# Altium PCB PCB_v1.PcbDoc (part 6 of 8) (continued)
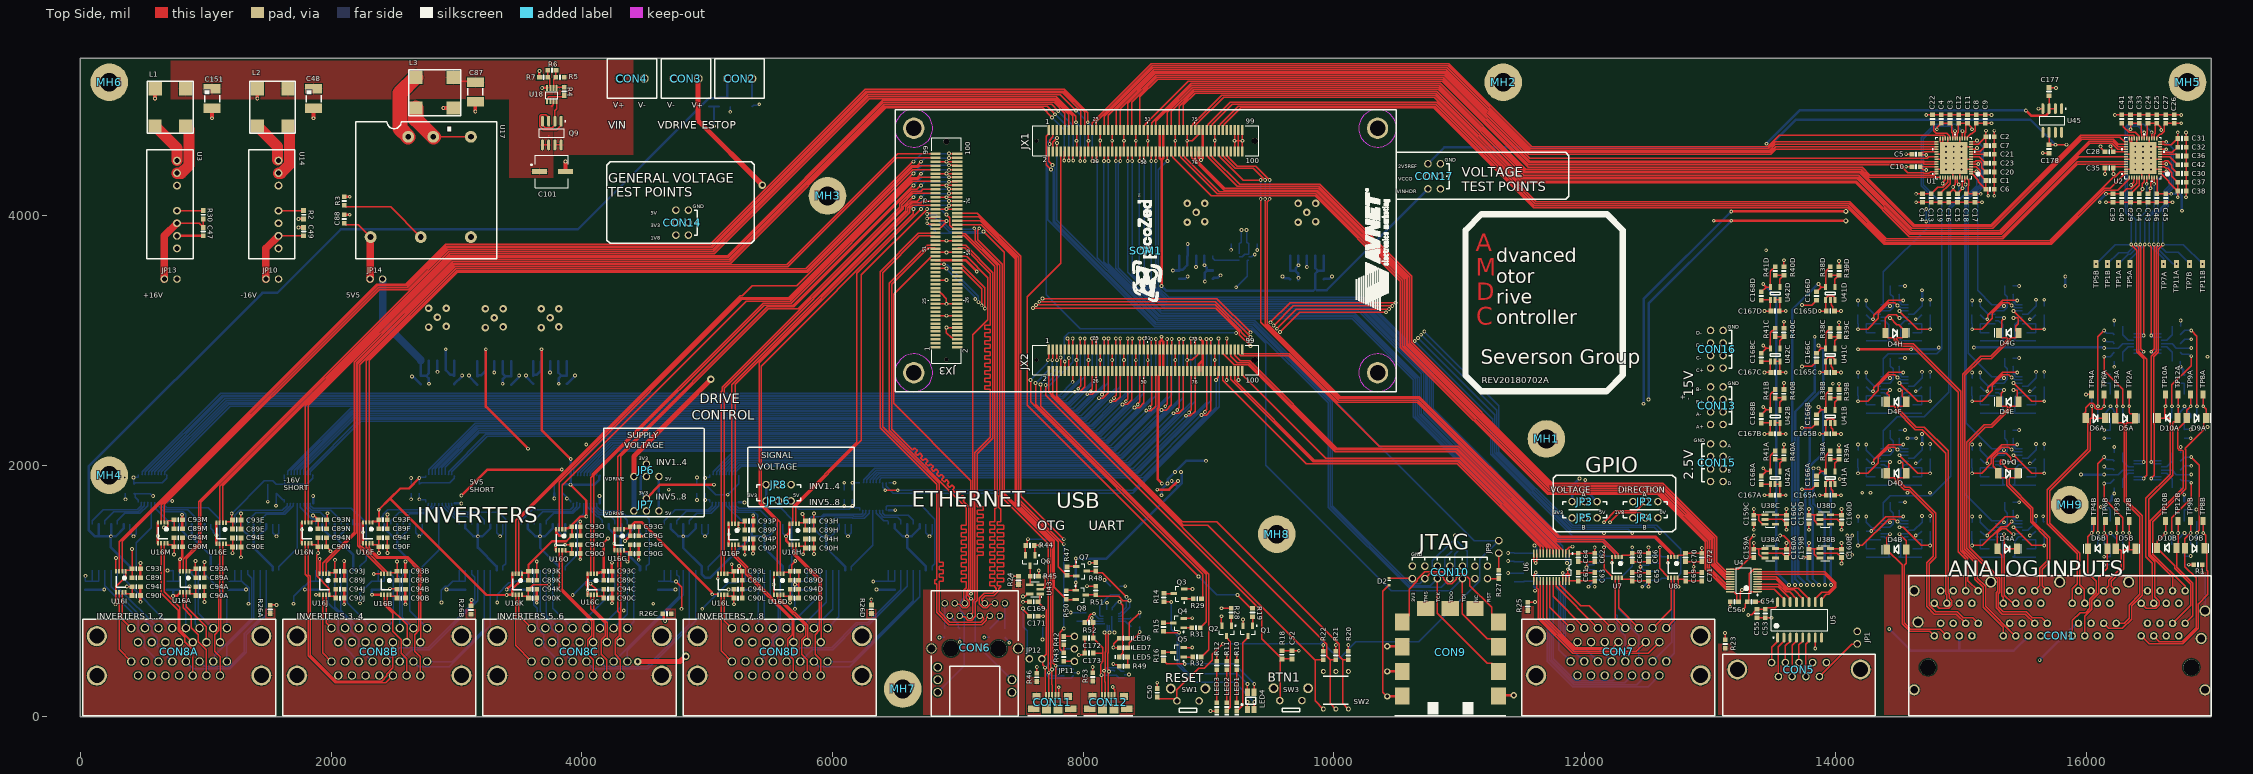
[diagram p0: Top Side view]
## Nets (pads, with @x,y where several pads share a name; then routed paths per layer and width w, separated by ;. In a path a pad name is that pad's centre, name@x,y a point inside that pad or via, vN(x,y) a via of type N, cw(c..) or ccw(c..) an arc to the next point about the centre after c; other vN are vias at no path point) (continued)
LV_INV5_PWM2: SOM1.JX2-61 U13C.8 | length 5398.6
  Top Side w10: v1(8669.28,3012.75) 8670.41,3011.62 8670.41,2931.13 SOM1.JX2-61@8671.54,2930
  Bottom Side w10: U13C.8@4090.08,1920 4093.94,1923.86 4093.94,1945.87 4278.16,2130.1 8247.82,2130.1 8669.28,2551.57 v1(8669.28,3012.75)
LV_INV5_PWM3: SOM1.JX2-54 U13C.7 | length 5020.8
  Top Side w10: v1(8530,2465) 8530,2470.41 8545.55,2485.96 SOM1.JX2-54@8545.55,2756.77
  Bottom Side w10: U13C.7@4064.49,1920 4068.35,1923.86 4068.35,1945.87 4267.57,2145.1 8241.6,2145.1 8530,2433.5 v1(8530,2465)
LV_INV5_PWM4: SOM1.JX2-56 U13C.6 | length 5062.9
  Top Side w10: v1(8502.62,2441.47) 8504.09,2440 8540.36,2440 8577.05,2476.69 SOM1.JX2-56@8577.05,2756.77
  Bottom Side w10: U13C.6@4038.9,1920 4042.76,1923.86 4042.76,1945.87 4256.98,2160.1 8221.25,2160.1 v1(8502.62,2441.47)
LV_INV5_PWM5: SOM1.JX2-55 U13C.5 | length 5380.9
  Top Side w10: SOM1.JX2-55@8577.05,2930 8578.17,2931.13 8578.17,3011.62 v1(8579.3,3012.75)
  Bottom Side w10: U13C.5@4013.31,1920 4017.17,1923.86 4017.17,1945.87 4246.39,2175.1 8195.24,2175.1 8579.3,2559.16 v1(8579.3,3012.75)
LV_INV5_PWM6: SOM1.JX2-53 U13C.4 | length 5379.2
  Top Side w10: v1(8543.3,3012.75) 8544.43,3011.62 8544.43,2931.13 SOM1.JX2-53@8545.55,2930
  Bottom Side w10: U13C.4@3987.72,1920 3991.57,1923.86 3991.57,1945.87 4235.8,2190.1 8189.02,2190.1 8543.3,2544.38 v1(8543.3,3012.75)
LV_INV6_PWM1: SOM1.JX2-62 U13B.3 | length 4132.8
  Top Side w10: v1(8655,2475) 8655,2480.41 8671.53,2496.95 SOM1.JX2-62@8671.53,2756.77
  Bottom Side w10: U13B.3@5071.2,1927.6 5075.06,1931.46 5075.06,1953.47 5206.69,2085.1 8300.46,2085.1 8655,2439.64 v1(8655,2475)
LV_INV6_PWM2: SOM1.JX2-64 U13B.2 | length 4171.4
  Top Side w10: v1(8625,2445) 8660.36,2445 8703.03,2487.67 SOM1.JX2-64@8703.03,2756.77
  Bottom Side w10: U13B.2@5045.61,1927.6 5049.47,1931.46 5049.47,1953.47 5196.1,2100.1 8280.1,2100.1 v1(8625,2445)
LV_INV6_PWM3: SOM1.JX2-67 U13B.4 | length 4497.5
  Top Side w10: v1(8763.77,3012.75) 8764.9,3011.62 8764.9,2931.13 SOM1.JX2-67@8766.02,2930
  Bottom Side w10: U13B.4@5096.8,1927.6 5100.65,1931.46 5100.65,1953.47 5217.28,2070.1 8306.67,2070.1 8763.77,2527.2 v1(8763.77,3012.75)
LV_INV6_PWM4: SOM1.JX2-69 U13B.5 | length 4499.2
  Top Side w10: SOM1.JX2-69@8797.52,2930 8798.65,2931.13 8798.65,3011.62 v1(8799.77,3012.75)
  Bottom Side w10: U13B.5@5122.39,1927.6 5126.24,1931.46 5126.24,1953.47 5227.87,2055.1 8312.88,2055.1 8799.77,2541.99 v1(8799.77,3012.75)
LV_INV6_PWM5: SOM1.JX2-48 U13C.3 | length 5014.5
  Top Side w10: v1(8435,2490) 8435,2495.41 8451.06,2511.47 SOM1.JX2-48@8451.06,2756.77
  Bottom Side w10: U13C.3@3962.13,1920 3965.98,1923.86 3965.98,1945.87 4225.21,2205.1 8182.81,2205.1 8435,2457.29 v1(8435,2490)
LV_INV6_PWM6: SOM1.JX2-50 U13C.2 | length 5075.6
  Top Side w10: v1(8408.22,2465.87) 8409.09,2465 8445.36,2465 8482.56,2502.2 SOM1.JX2-50@8482.56,2756.77
  Bottom Side w10: U13C.2@3936.54,1920 3936.54,1976.54 4180.1,2220.1 8162.46,2220.1 v1(8408.22,2465.87)
LV_INV7_PWM1: SOM1.JX2-83 U13A.5 | length 3558.1
  Top Side w10: SOM1.JX2-83@9017.99,2930 9019.12,2931.13 9019.12,3011.62 v1(9020.24,3012.75)
  Bottom Side w10: U13A.5@6320.61,1865 6324.46,1868.86 6324.46,1890.87 6368.69,1935.1 8431.68,1935.1 9020.24,2523.67 v1(9020.24,3012.75)
LV_INV7_PWM2: SOM1.JX2-81 U13A.4 | length 3556.4
  Top Side w10: v1(8984.24,3012.75) 8985.37,3011.62 8985.37,2931.13 SOM1.JX2-81@8986.5,2930
  Bottom Side w10: U13A.4@6295.02,1865 6298.87,1868.86 6298.87,1890.87 6358.1,1950.1 8425.46,1950.1 8984.24,2508.88 v1(8984.24,3012.75)
LV_INV7_PWM3: SOM1.JX2-74 U13A.3 | length 3178.6
  Top Side w10: v1(8845,2425) 8845,2430.41 8860.51,2445.92 SOM1.JX2-74@8860.51,2756.77
  Bottom Side w10: U13A.3@6269.42,1865 6273.28,1868.86 6273.28,1890.87 6347.51,1965.1 8419.25,1965.1 8845,2390.85 v1(8845,2425)
LV_INV7_PWM4: SOM1.JX2-76 U13A.2 | length 3218.1
  Top Side w10: v1(8818.94,2400.15) 8819.09,2400 8855.36,2400 8892.01,2436.65 SOM1.JX2-76@8892.01,2756.77
  Bottom Side w10: U13A.2@6243.83,1865 6247.69,1868.86 6247.69,1890.87 6336.92,1980.1 8398.9,1980.1 v1(8818.94,2400.15)
LV_INV7_PWM5: SOM1.JX2-68 U13B.7 | length 4139.8
  Top Side w10: v1(8750,2445) 8750,2450.41 8766.02,2466.43 SOM1.JX2-68@8766.02,2756.77
  Bottom Side w10: U13B.7@5173.57,1927.6 5177.42,1931.46 5177.42,1953.47 5249.05,2025.1 8360.46,2025.1 8750,2414.64 v1(8750,2445)
LV_INV7_PWM6: SOM1.JX2-70 U13B.6 | length 4181.4
  Top Side w10: v1(8720,2420) 8760.36,2420 8797.52,2457.16 SOM1.JX2-70@8797.52,2756.77
  Bottom Side w10: U13B.6@5147.98,1927.6 5151.83,1931.46 5151.83,1953.47 5238.46,2040.1 8340.1,2040.1 v1(8720,2420)
LV_INV8_PWM1: SOM1.JX2-88 U13A.8 | length 3282.9
  Top Side w10: v1(6420,1805.26) v1(6520,1805.26) ; v1(9060,2685) 9060,2690.41 9075.98,2706.39 9075.98,2751.77 SOM1.JX2-88@9080.98,2756.77
  Bottom Side w10: U13A.8@6397.38,1865 6401.24,1861.14 6401.24,1828.92 6420,1810.16 v1(6420,1805.26) ; v1@6520,1806.56 6521.3,1805.26 8399.42,1805.26 9060,2465.84 v1(9060,2685)
LV_INV8_PWM2: SOM1.JX2-87 U13A.9 | length 3629.5
  Top Side w10: v1(9078.73,3015) 9079.86,3013.87 9079.86,2931.13 SOM1.JX2-87@9080.98,2930
  Bottom Side w10: U13A.9@6422.97,1865 6426.83,1861.14 6426.83,1839.13 6485.69,1780.26 8395.63,1780.26 9085,2469.63 9085,3003.32 9078.73,3009.59 v1(9078.73,3015)
LV_INV8_PWM3: SOM1.JX2-82 U13A.7 | length 3198
  Top Side w10: v1(8970,2430) 8970,2435.41 8986.49,2451.91 SOM1.JX2-82@8986.49,2756.77
  Bottom Side w10: U13A.7@6371.79,1865 6375.65,1868.86 6375.65,1890.87 6389.87,1905.1 8478.04,1905.1 8970,2397.06 v1(8970,2430)
LV_INV8_PWM4: SOM1.JX2-84 U13A.6 | length 3238.7
  Top Side w10: v1(8943.34,2405.75) 8944.09,2405 8980.36,2405 9017.99,2442.63 SOM1.JX2-84@9017.99,2756.77
  Bottom Side w10: U13A.6@6346.2,1865 6350.05,1868.86 6350.05,1890.87 6379.28,1920.1 8457.69,1920.1 v1(8943.34,2405.75)
LV_INV8_PWM5: SOM1.JX2-75 U13B.9 | length 4510.8
  Top Side w10: SOM1.JX2-75@8892.01,2930 8893.13,2931.13 8893.13,3013.87 v1(8894.26,3015)
  Bottom Side w10: U13B.9@5224.75,1927.6 5228.61,1931.46 5228.61,1953.47 5270.24,1995.1 8372.88,1995.1 8894.26,2516.48 v1(8894.26,3015)
LV_INV8_PWM6: SOM1.JX2-73 U13B.8 | length 4509
  Top Side w10: v1(8858.26,3015) 8859.39,3013.87 8859.39,2931.13 SOM1.JX2-73@8860.51,2930
  Bottom Side w10: U13B.8@5199.16,1927.6 5203.02,1931.46 5203.02,1953.47 5259.64,2010.1 8366.67,2010.1 8858.26,2501.69 v1(8858.26,3015)
LV_R\S\T\1: SOM1.JX1-19 U16I.2 | length 9617.1
  Top Side w10: U16I.2@334.41,1157.87 334.41,1400.19 2369.22,3435 2601.45,3435 2919.49,3753.04 5031.31,3753.04 6268.16,4989.89 7843.31,4989.89 8010.12,4823.08 SOM1.JX1-19@8010.12,4680
LV_R\S\T\2: SOM1.JX1-24 U16I.3 | length 10013.1
  Top Side w10: U16I.3@308.82,1157.87 308.82,1395.81 2363.01,3450 2595.24,3450 2913.28,3768.04 5025.1,3768.04 6261.94,5004.89 7849.53,5004.89 8036.12,4818.29 v1(8036.12,4741) ; v1(8073.11,4432.37) SOM1.JX1-24@8073.11,4506.77
  Bottom Side w10: v1(8036.12,4741) 8073.11,4704.01 v1(8073.11,4432.37)
LV_R\S\T\3: SOM1.JX3-99 U16J.2 | length 7095.9
  Top Side w10: U16J.2@1959.41,1137.87 1959.41,1226.05 2198.23,1464.87 2198.23,2819.65 2981.62,3603.04 5635.46,3603.04 6521.96,4489.54 SOM1.JX3-99@6821.69,4489.54
LV_R\S\T\4: SOM1.JX1-10 U16J.3 | length 8688.8
  Top Side w10: U16J.3@1933.82,1137.87 1933.82,1221.68 2183.23,1471.09 2183.23,2825.86 2975.41,3618.04 5187.45,3618.04 6424.29,4854.89 7675.11,4854.89 v1(7750,4780) ; v1(7848.13,4435) 7850.39,4437.25 7850.39,4504.52 SOM1.JX1-10@7852.64,4506.77
  Bottom Side w10: v1(7750,4780) 7848.13,4681.87 v1(7848.13,4435)
LV_R\S\T\5: SOM1.JX3-94 U16K.2 | length 5102.6
  Top Side w10: U16K.2@3496.48,1137.87 3496.48,1569.91 5269.57,3343 5651.44,3343 6640.5,4332.06 v1(6645,4332.06) ; v1(6930,4397.3) 6931.13,4396.17 6993.8,4396.17 SOM1.JX3-94@6994.92,4395.05
  Bottom Side w10: v1(6645,4332.06) 6710.24,4397.3 v1(6930,4397.3)
LV_R\S\T\6: SOM1.JX3-91 U16K.3 | length 4937.4
  Top Side w10: U16K.3@3470.89,1137.87 3470.89,1565.53 5263.36,3358 5278,3358 5358.38,3438.38 5715.96,3438.38 6641.14,4363.56 SOM1.JX3-91@6821.69,4363.56
LV_R\S\T\7: SOM1.JX3-82 U16L.2 | length 4010.7
  Top Side w10: U16L.2@5136.09,1137.87 5136.09,2620.77 6566,4050.69 6566,4068.59 6640.5,4143.09 v1(6645,4143.09) ; v1(6930,4208.32) 6931.13,4207.2 6993.8,4207.2 SOM1.JX3-82@6994.92,4206.07
  Bottom Side w10: v1(6645,4143.09) 6710.24,4208.32 v1(6930,4208.32)
LV_R\S\T\8: SOM1.JX3-79 U16L.3 | length 3851.3
  Top Side w10: U16L.3@5110.5,1137.87 5110.5,2590.5 5121.09,2601.09 5121.09,2626.99 6551,4056.9 6551,4084.44 6641.14,4174.58 SOM1.JX3-79@6821.69,4174.58
LV_RDY1: SOM1.JX1-9 U16E.2 | length 8449.5
  Top Side w10: U16E.2@1136.18,1545.77 1136.18,1842.45 2956.77,3663.04 5168.81,3663.04 6405.65,4899.89 7767.29,4899.89 7852.64,4814.54 SOM1.JX1-9@7852.64,4680
LV_RDY2: SOM1.JX1-11 U16E.3 | length 8510.4
  Top Side w10: U16E.3@1110.59,1545.77 1110.59,1838.07 2950.56,3678.04 5162.59,3678.04 6399.44,4914.89 7773.51,4914.89 7884.13,4804.26 SOM1.JX1-11@7884.13,4680
LV_RDY3: SOM1.JX3-93 U16F.2 | length 6454.1
  Top Side w10: U16F.2@2304.41,1547.87 2304.41,2840.97 3006.48,3543.04 5799.41,3543.04 6636.92,4380.56 6680.22,4380.56 6694.72,4395.05 SOM1.JX3-93@6821.69,4395.05
LV_RDY4: SOM1.JX3-98 U16F.3 | length 6676.4
  Top Side w10: U16F.3@2278.82,1547.87 2278.82,2836.6 3000.26,3558.04 5793.2,3558.04 6630.71,4395.56 6674.01,4395.56 v1(6705,4426.54) ; v1(6930,4455.79) 6931.13,4456.91 6993.8,4456.91 SOM1.JX3-98@6994.92,4458.04
  Bottom Side w10: v1(6705,4426.54) 6734.24,4455.79 v1(6930,4455.79)
LV_RDY5: SOM1.JX3-81 U16G.2 | length 3993.1
  Top Side w10: U16G.2@4309.94,1492.87 4309.94,2075.71 5487.23,3253 5725.89,3253 6536,4063.11 6536,4090.65 6635.93,4190.58 6706.06,4190.58 6721.56,4206.07 SOM1.JX3-81@6821.69,4206.07
LV_RDY6: SOM1.JX3-86 U16G.3 | length 4199.4
  Top Side w10: U16G.3@4284.35,1492.87 4284.35,2071.34 5481.02,3268 5692.13,3268 6629.71,4205.58 6673.01,4205.58 v1(6705,4237.57) ; v1(6930,4266.81) 6931.13,4267.94 6993.8,4267.94 SOM1.JX3-86@6994.92,4269.06
  Bottom Side w10: v1(6705,4237.57) 6734.24,4266.81 v1(6930,4266.81)
LV_RDY7: SOM1.JX3-62 U16H.2 | length 3285.5
  Top Side w10: U16H.2@5706.94,1537.43 5706.94,1679.16 6230.15,2202.37 6230.15,3523.74 v1(6755,4048.59) ; v1(6908.31,4005) 6933.31,3980 6933.31,3920.08 6950.78,3902.61 6953.43,3902.61 6964.92,3891.11 SOM1.JX3-62@6994.92,3891.11
  Bottom Side w10: v1(6755,4048.59) 6864.71,4048.59 v1(6908.31,4005)
LV_RDY8: SOM1.JX3-74 U16H.3 | length 3238.1
  Top Side w10: U16H.3@5681.35,1537.43 5681.35,1674.79 6192.9,2186.33 6192.9,3536.49 v1(6705,4048.59) ; v1(6930,4077.84) 6931.13,4078.96 6993.8,4078.96 SOM1.JX3-74@6994.92,4080.09
  Bottom Side w10: v1(6705,4048.59) 6734.24,4077.84 v1(6930,4077.84)
LV_VCCIO_EN: SOM1.JX2-10 U34.3 | length 2281.8
  Top Side w10: SOM1.JX2-10@7852.64,2756.77 v1(7852.64,2831.54)
  Ground Layer w10: v1(9220,3060) v1(9220,3425)
  Bottom Side w10: v1(7852.64,2831.54) 7850,2834.17 7850,3025.36 7884.64,3060 v1(9220,3060) ; v1(9220,3425) 9308.78,3513.78 9308.78,3638.07 9311.65,3640.94 U34.3@9320.51,3640.94
LVA: C5.1 C10.1 C28.1 C35.1 C56.1 C62.1 C64.1 C66.1 C68.1 C70.1 C72.1 C74.1 C76.1 C78.1 C80.1 C82.1 C84.1 C85.1 C89A.1 C89B.1 C89C.1 C89D.1 C89E.1 C89F.1 C89G.1 C89H.1 C89I.1 C89J.1 C89K.1 C89L.1 C89M.1 C89N.1 C89O.1 C89P.1 C92A.1 C92B.1 C92C.1 C92D.1 C92E.1 C92F.1 C93A.1 C93B.1 C93C.1 C93D.1 C93E.1 C93F.1 C93G.1 C93H.1 C93I.1 C93J.1 C93K.1 C93L.1 C93M.1 C93N.1 C93O.1 C93P.1 C158A.1 CON9.9 CON14.1 JP2.3 JP4.3 Q7.1 Q8.1 R28.2 R47.2 R50.2 SOM1.JX2-11 SW2.2 SW2.4 SW2.6 SW3.2 U1.31 U1.37 U2.31 U2.37 U4.20 U6.1 U7.1 U8.1 U9.1 U10.1 U11.1 U13A.1 U13A.10 U13B.1 U13B.10 U13C.1 U13C.10 U13D.1 U13D.10 U13E.1 U13E.10 U13F.1 U13F.10 U16A.1 U16B.1 U16C.1 U16D.1 U16E.1 U16F.1 U16G.1 U16H.1 U16I.1 U16I.5 U16J.1 U16J.5 U16K.1 U16K.5 U16L.1 U16L.5 U16M.1 U16N.1 U16O.1 U16P.1 U34.1 U34.5 U37A.4 U37A.5 | length 55626.4
  Top Side w10: v1(280,895) 281.61,896.61 281.61,990.49 U16I.5@283.23,992.11 283.23,1036.6 360,1113.38 U16I.1@360,1157.87 360,1163.03 363.27,1166.3 397.83,1166.3 C93I.1@411.54,1180 ; C89I.1@411.54,1108.33 C93I.1@411.54,1180 ; v1(411.54,1335.87) C93I.1@411.54,1180 ; v1(666.36,1507.89) 682.89,1507.89 695,1520 U16M.1@695,1547.87 695,1557.11 698.27,1560.37 736.91,1560.37 C93M.1@746.54,1570 C89M.1@746.54,1498.33 ; U16A.1@870,1157.87 870,1163.03 873.27,1166.3 907.83,1166.3 C93A.1@921.54,1180 ; v1(917.6,1240) 917.6,1183.94 C93A.1@921.54,1180 ; C89A.1@921.54,1108.33 C93A.1@921.54,1180 ; U16E.1@1161.77,1545.77 1161.77,1550.92 1165.04,1554.19 1199.61,1554.19 C93E.1@1213.31,1567.89 ; v1(1206,1619.76) 1206,1575.2 C93E.1@1213.31,1567.89 ; C89E.1@1213.31,1496.23 C93E.1@1213.31,1567.89 ; U16N.1@1843.88,1547.87 1843.88,1553.03 1847.15,1556.3 1881.72,1556.3 C93N.1@1895.42,1570 ; v1(1855,1604.58) 1858.83,1600.76 1864.66,1600.76 C93N.1@1895.42,1570 ; v1(1880,972.11) U16J.5@1908.23,972.11 ; C89N.1@1895.42,1498.33 C93N.1@1895.42,1570 ; U16J.1@1985,1137.87 1985,1143.03 1988.27,1146.3 2022.83,1146.3 C93J.1@2036.54,1160 ; v1(2030,1250) 2030,1166.54 C93J.1@2036.54,1160 ; C89J.1@2036.54,1088.33 C93J.1@2036.54,1160 ; U16B.1@2474.24,1137.87 2474.24,1145.2 2477.5,1148.46 2514.24,1148.46 C93B.1@2525.77,1160 ; C89B.1@2525.77,1088.33 C93B.1@2525.77,1160 ; v1(2525.77,1236.14) C93B.1@2525.77,1160 ; v1(5040,975) 5082.01,975 U16L.5@5084.91,972.11 ; U16L.1@5161.68,1137.87 5161.68,1143.03 5164.94,1146.3 5199.51,1146.3 C93L.1@5213.21,1160 ; v1(5195,1215) 5195,1209.59 5199.51,1205.08 5199.51,1173.7 C93L.1@5213.21,1160 ; C89L.1@5213.21,1088.33 C93L.1@5213.21,1160 ; v1(5250,1497.14) 5249.09,1498.05 5249.09,1536.52 U16P.1@5248.18,1537.43 5248.18,1542.59 5251.45,1545.86 5286.02,1545.86 C93P.1@5299.72,1559.56 C89P.1@5299.72,1487.89 ; U16D.1@5610,1137.87 5610,1147.11 5613.27,1150.37 5651.91,1150.37 C93D.1@5661.54,1160 ; C89D.1@5661.54,1088.33 C93D.1@5661.54,1160 ; v1(5702.79,1240.49) 5675.24,1212.93 5675.24,1173.7 C93D.1@5661.54,1160 ; U16H.1@5732.54,1537.43 5732.54,1542.59 5735.8,1545.86 5770.37,1545.86 C93H.1@5784.07,1559.56 ; v1(5760,1615.35) 5760,1609.94 5770.37,1599.57 5770.37,1573.26 C93H.1@5784.07,1559.56 ; C89H.1@5784.07,1487.89 C93H.1@5784.07,1559.56 ; R50.2@7865,999.53 7872.87,1007.4 Q8.1@7938.66,1007.4 7940,1008.74 v1(7940,1070) ; R47.2@7870,1189.53 7877.87,1197.4 Q7.1@7943.66,1197.4 7940,1201.06 v1(7940,1260) ; v1(7875,3015) 7875,3009.59 7884.13,3000.45 SOM1.JX2-11@7884.13,2930 ; v1(9102.35,863.46) R28.2@9179.65,863.46 ; U6.1@11875.75,1300.24 11946.77,1300.24 C64.1@11950,1303.46 C62.1@12080,1303.46 v1(12080,1350) ; U7.1@12295.98,1272.88 12295.98,1282.12 12299.25,1285.38 12361.92,1285.38 C68.1@12380,1303.46 C66.1@12510,1303.46 v1(12510,1350) ; U8.1@12741.77,1272.88 12741.77,1282.12 12745.04,1285.38 12786.92,1285.38 C70.1@12805,1303.46 C72.1@12935,1303.46 v1(12935,1345) ; U4.20@13160.75,996.65 13189.29,996.65 13213.98,971.97 13213.98,928.94 C56.1@13227.68,915.24 13241.38,928.94 13241.38,990.97 13255,1004.59 v1(13255,1010) ; v1(14725,4360) 14721.17,4363.83 14701.17,4363.83 C10.1@14678.46,4386.54 14679.57,4387.64 U1.37@14809,4387.64 ; v1(14725,4480) 14685,4480 C5.1@14678.46,4486.54 14692.17,4500.24 14702.81,4500.24 14708.32,4505.75 U1.31@14809,4505.75 ; v1(16195,4550) 16195,4544.59 16204.76,4534.82 16204.76,4520.24 C28.1@16218.46,4506.54 16219.25,4505.75 U2.31@16319,4505.75 ; v1(16218.46,4329.27) C35.1@16218.46,4375.8 ; C35.1@16218.46,4386.54 16219.57,4387.64 U2.37@16319,4387.64
  Top Side w18: U16F.1@2330,1547.87 2330,1554.46 2330.73,1555.2 2366.73,1555.2 C93F.1@2381.54,1570 ; C89F.1@2381.54,1498.33 C93F.1@2381.54,1570 ; v1(2703.31,1902.6) 2620.86,1820.15 2550.15,1820.15 2470,1740 ; C89K.1@3573.61,1088.33 C93K.1@3573.61,1160 ; U16O.1@3869.02,1492.87 3869.02,1500.64 3869.75,1501.37 3887.96,1501.37 3892.85,1506.27 3911.82,1506.27 C93O.1@3920.55,1515 ; v1(3910,1850) 4035.67,1724.33 v1(4035.67,1595) 3986.47,1595 3920.55,1529.08 C93O.1@3920.55,1515 ; U16C.1@4122.15,1137.87 4122.15,1145.64 4122.88,1146.37 4141.09,1146.37 4145.98,1151.27 4164.95,1151.27 C93C.1@4173.69,1160 ; C89C.1@4173.69,1088.33 C93C.1@4173.69,1160 ; v1(4209.35,1421.31) 4173.69,1385.64 C93C.1@4173.69,1160 ; U16G.1@4335.54,1492.87 4335.54,1499.46 4336.27,1500.2 4372.27,1500.2 C93G.1@4387.07,1515 C89G.1@4387.07,1454.55 ; C93F.1@2381.54,1570 2380.77,1570.77 2380.77,1649.23 v1(2380,1650) 2470,1740 ; 2470,1740 3240,970 v1(3400,970) 3401.05,971.05 3444.57,971.05 3445.3,971.79 U16K.5@3445.3,972.11 3445.3,1016.61 3522.07,1093.37 U16K.1@3522.07,1137.87 3522.07,1144.46 3522.8,1145.2 3558.8,1145.2 C93K.1@3573.61,1160 ; C93K.1@3573.61,1160 3573.61,1210.62 3761.99,1399 3876.22,1399 C89O.1@3920.55,1443.33 C93O.1@3920.55,1515
  Top Side w19: v1(4343.74,1400) C89G.1@4387.07,1443.33
  Top Side w20: v1(3679,2930) 3679,2286 v1(3910.94,2054.06) ; C93G.1@4387.07,1515 4420.77,1548.7 4478.91,1548.7 5038.09,989.53 5038.09,976.91 v1(5040,975) ; v4(10425,560) 10541.85,560 CON9.9@10545,556.85 ; v1(13030,3955) v1(13170,3955) v5(14085,3955)
  Ground Layer w10: v1(1880,972.11) 1880,1100 v1(2030,1250) ; v1(2380,1650) 2380,1644.64 2473.65,1551 2473.65,1288.27 v1(2525.77,1236.14)
  Ground Layer w18: v1(4035.67,1595) v1(4209.35,1421.31)
  Power Layer w10: 1807.98,1651.6 v1(1855,1604.58) 1855,1514.79 2030,1339.79 v1(2030,1250) ; v1(6158.31,1864.96) v1(6494.98,1865) ; v1(9303.11,3881.54) 12956.54,3881.54 v1(13030,3955)
  Power Layer w18: v1(4209.35,1421.31) 4265.89,1421.31 4287.2,1400 v1(4343.74,1400)
  Power Layer w20: v1(411.54,1335.87) 456.72,1381.06 456.72,1436.72 500,1480 500,1507.89 ; v1(423.31,1907.6) 500,1830.91 500,1507.89 ; v1(917.6,1240) 915.69,1241.91 915.69,1258.57 v1(666.36,1507.89) ; v1(1206,1619.76) 1207.91,1621.68 1207.91,1646.2 1213.31,1651.6 ; v1(2380,1650) 2378.4,1651.6 1807.98,1651.6 1213.31,1651.6 ; v1(3679,2930) 3840,2930 CON14.1@4750,3840 ; v1(3910.94,2054.06) 4490.43,2054.06 4496.36,2059.99 8525.29,2059.99 v1(8705.28,1880) 9050,1535.28 9050,860 ; v1(5040,975) 5195,1130 v1(5195,1215) 5195,1236.54 ; v1(5163.8,1770) 5248.5,1685.3 5248.5,1657.37 5331.28,1574.58 ; v1(5702.79,1240.49) 5198.95,1240.49 5195,1236.54 ; v1(6158.31,1864.96) 6033.5,1740.16 5884.8,1740.16 5760.18,1615.53 5760.18,1615.18 5759.82,1615.18 5719.23,1574.58 5331.28,1574.58 ; v1(7875,3015) 7875,3013.2 8002.34,2885.86 8002.34,2559.32 8306.04,2255.62 8474.38,2255.62 v1(8780,1950) ; v1@8780,1950.91 8780.91,1950.91 9360,2530 v1(12510,2530) 12511.91,2528.09 12539.08,2528.09 12755,2312.17 12755,1762.26 12935,1582.26 v1(12935,1345) 12935,1275.5 13200.5,1010 v1(13255,1010) ; v1(9102.35,863.46) 9053.46,863.46 9050,860 ; SW2.2@9915,360 SW2.4@10015,360 SW2.6@10115,360 ; JP2.3@12385,1715 JP4.3@12385,1585 12450,1520 12450,1438.84 ; v1(12510,1350) 12510,1351.73 12479.04,1382.68 12479.04,1409.8 12450,1438.84 ; v5(14085,3955) 14110,3980 14725,3980 ; v1(14725,3950) 14725,3980 ; v1(14725,4048.59) v1(14725,4360) v1(14725,4480) ; v1(16218.46,4329.27) 16218.46,4331.97 16195,4355.44 v1(16195,4550) 16195,4807.43 16217.57,4830 16772.43,4830 16853.46,4748.96 16853.46,4030.83 16802.64,3980 14725,3980 ; 500,1507.89 v1(666.36,1507.89) ; v1(666.36,1507.89) 666.36,1508.78 809.17,1651.6 1213.31,1651.6 ; 5195,1236.54 5195,1337.99 5250,1392.99 v1(5250,1497.14) 5289.68,1536.82 5293.52,1536.82 5331.28,1574.58 ; 9050,860 9050,806.51 9597.8,258.72 9597.8,246.52 9716.72,127.6 SW3.2@9745,127.6 9882.6,127.6 SW2.6@10115,360 ; SW2.6@10115,360 10315,560 v4(10425,560) 10748.64,560 11270,1081.36 11270,1185 v1(11390,1305) 12035,1305 v1(12080,1350) 12125.38,1395.38 12406.54,1395.38 12450,1438.84
  Bottom Side w10: C92F.1@423.09,1852.6 C92F.1@423.31,1852.81 ; U13F.1@462.72,1927.6 462.72,1911.85 458.86,1907.99 423.7,1907.99 v1(423.31,1907.6) C92F.1@423.31,1852.81 ; U13F.10@693.03,1927.6 689.17,1923.74 689.17,1901.72 653.75,1866.3 436.8,1866.3 C92F.1@423.31,1852.81 ; v1(1206,1619.76) 1467.53,1881.3 1532.46,1881.3 C92E.1@1561.17,1852.6 1630,1852.6 ; U13E.1@1625.94,1927.6 1625.94,1884.25 1630,1880.2 1630,1852.6 ; U13E.10@1856.26,1927.6 1852.4,1923.74 1852.4,1901.72 1803.28,1852.6 1630,1852.6 ; U13D.1@2754.76,1921.1 2754.76,1911.85 2750.91,1907.99 2714.11,1907.99 2708.72,1902.6 v1(2703.31,1902.6) 2703.31,1853.53 C92D.1@2704.24,1852.6 2717.94,1866.3 2945.8,1866.3 2981.22,1901.72 2981.22,1917.24 U13D.10@2985.08,1921.1 ; U13B.1@5020.02,1927.6 5020.02,1911.85 5016.17,1907.99 4994.11,1907.99 4989.58,1903.46 4983.31,1903.46 v1(4983.31,1902.6) 4983.31,1854.67 C92B.1@4985.38,1852.6 5067.98,1770 v1(5163.8,1770) 5250.34,1856.54 U13B.10@5250.34,1926.85 ; C92A.1@6158.45,1804.96 6158.31,1805.1 v1(6158.31,1864.96) U13A.1@6218.24,1865 U13A.1@6218.24,1865 ; U13A.10@6448.56,1865 v1(6494.98,1865) ; U34.5@9245.71,3666.54 9248.58,3669.41 9268.94,3669.41 9288.78,3689.25 9317.64,3689.25 U34.1@9320.51,3692.13 9320.51,3770.67 C85.1@9319.65,3771.54 9305.94,3785.24 9305.94,3878.7 v1(9303.11,3881.54) ; v1(11390,1305) 11438.46,1305 C76.1@11440,1303.46 C74.1@11515,1303.46 11517.32,1301.14 11593.35,1301.14 U9.1@11594.25,1300.24 ; v1(12080,1350) 12080,1298.46 C80.1@12085,1293.46 C78.1@12155,1293.46 12168.7,1279.76 12216.73,1279.76 12220,1276.5 U10.1@12220,1272.87 ; v1(12510,1350) 12510,1298.46 C84.1@12520,1288.46 C82.1@12600,1288.46 12613.7,1274.76 12663.11,1274.76 U11.1@12665,1272.87
  Bottom Side w20: U37A.5@3611.99,2835.64 C158A.1@3611.97,2719.99 3619.86,2727.88 3640.67,2727.88 3673.44,2760.65 3673.44,2830.09 U37A.4@3679,2835.65 v1(3679,2930) ; C92C.1@3847.31,1852.6 3848.61,1851.3 3908.7,1851.3 v1(3910,1850) ; v1(3910.94,2054.06) U13C.1@3910.94,1920 3910.8,1919.85 3910.8,1850.8 v1(3910,1850) ; U13C.10@4141.26,1920 4140.12,1918.86 4140.12,1889.77 4100.35,1850 v1(3910,1850) ; v1(7940,1070) v1(7940,1260) 8185,1260 8755.31,1830.31 ; v1(8705.28,1880) 8705.61,1880 8755.31,1830.31 ; v1(8780,1950) 8785.31,1944.69 8785.31,1860.31 8755.31,1830.31 ; v1(12510,2530) 12510,3295 v1(13170,3955) ; v1(14725,3950) v1(14725,4048.59)
NetC19_1: C19.1 U1.45 | length 164.4
  Top Side w10: C19.1@14835,4170 14915.47,4250.47 U1.45@14915.47,4301.04
NetC20_1: C20.1 U1.6 | length 180.1
  Top Side w10: U1.6@15081,4427.01 15118.02,4427.01 15123.34,4432.32 15150.36,4432.32 15169.09,4413.58 15169.09,4377.44 C20.1@15201.54,4345
NetC21_1: C21.1 U1.9 | length 120.7
  Top Side w10: U1.9@15081,4486.06 15201.06,4486.06 C21.1@15201.54,4486.54
NetC22_1: C22.1 U1.22 | length 228.6
  Top Side w10: C22.1@14775,4733.07 14785,4723.07 14785,4674.64 14806.61,4653.04 14890.93,4653.04 14914.47,4629.49 14914.47,4613.04 U1.22@14915.47,4612.04
NetC23_1: C23.1 U1.8 | length 141.8
  Top Side w10: U1.8@15081,4466.38 15150.16,4466.38 C23.1@15201.54,4415
NetC29_1: C29.1 U2.45 | length 160.2
  Top Side w10: C29.1@16355,4170 16425.47,4240.47 U2.45@16425.47,4301.04
NetC30_1: C30.1 U2.6 | length 195.5
  Top Side w10: U2.6@16591,4427.01 16623.02,4427.01 16628.34,4432.32 16650.36,4432.32 16684.1,4398.58 16684.1,4379.48 C30.1@16731.54,4332.04
NetC36_1: C36.1 U2.9 | length 146.3
  Top Side w10: U2.9@16591,4486.06 16591.63,4485.43 16718.14,4485.43 C36.1@16731.54,4472.04
NetC41_1: C41.1 U2.22 | length 208.1
  Top Side w10: C41.1@16285,4733.07 16298.7,4719.37 16298.7,4705.94 16344.64,4660 16393.96,4660 16424.47,4629.49 16424.47,4613.04 U2.22@16425.47,4612.04
NetC42_1: C42.1 U2.8 | length 167.2
  Top Side w10: U2.8@16591,4466.38 16667.19,4466.38 C42.1@16731.54,4402.04
NetC47_2: C47.2 JP13.2 R30.1 U3.6 | length 778.5
  Top Side w10: U3.6@770,3935.29 946.93,3935.29 C47.2@980,3902.21 980,3969.29 R30.1@980.71,3970
  Top Side w60: JP13.2@670,3490 670,3835.29 U3.6@770,3935.29
NetC47A_1: C47A.1 R4A.1 R6A.2 U3A.2 | length 405
  Bottom Side w10: R4A.1@15156.63,1271.54 15348.17,1271.54 R6A.2@15349.7,1270 15336,1283.7 15336,1399.02 15310.54,1424.48 15310.18,1424.48 15300.49,1434.17 U3A.2@15273.92,1434.17
NetC47A_2: C47A.2 R2A.1 R4A.2 U3A.1 | length 259.4
  Bottom Side w10: C47A.2@15226.63,1338.46 R4A.2@15156.63,1338.46 R2A.1@15156.63,1410 15158.06,1408.58 U3A.1@15273.92,1408.58
NetC47B_1: C47B.1 R4B.1 R6B.2 U3B.2 | length 405
  Bottom Side w10: R4B.1@14246.63,1271.54 14438.17,1271.54 R6B.2@14439.7,1270 14426,1283.7 14426,1399.02 14400.54,1424.48 14400.18,1424.48 14390.49,1434.17 U3B.2@14363.92,1434.17
NetC47B_2: C47B.2 R2B.1 R4B.2 U3B.1 | length 259.4
  Bottom Side w10: C47B.2@14316.63,1338.46 R4B.2@14246.63,1338.46 R2B.1@14246.63,1410 14248.06,1408.58 U3B.1@14363.92,1408.58
NetC47C_1: C47C.1 R4C.1 R6C.2 U3C.2 | length 405
  Bottom Side w10: R4C.1@15156.63,1846.54 15348.17,1846.54 R6C.2@15349.7,1845 15336,1858.7 15336,1974.02 15310.54,1999.48 15310.18,1999.48 15300.49,2009.17 U3C.2@15273.92,2009.17
NetC47C_2: C47C.2 R2C.1 R4C.2 U3C.1 | length 259.4
  Bottom Side w10: C47C.2@15226.63,1913.46 R4C.2@15156.63,1913.46 R2C.1@15156.63,1985 15158.06,1983.58 U3C.1@15273.92,1983.58
NetC47D_1: C47D.1 R4D.1 R6D.2 U3D.2 | length 405
  Bottom Side w10: R4D.1@14246.63,1846.54 14438.17,1846.54 R6D.2@14439.7,1845 14426,1858.7 14426,1974.02 14400.54,1999.48 14400.18,1999.48 14390.49,2009.17 U3D.2@14363.92,2009.17
NetC47D_2: C47D.2 R2D.1 R4D.2 U3D.1 | length 259.4
  Bottom Side w10: C47D.2@14316.63,1913.46 R4D.2@14246.63,1913.46 R2D.1@14246.63,1985 14248.06,1983.58 U3D.1@14363.92,1983.58
NetC47E_1: C47E.1 R4E.1 R6E.2 U3E.2 | length 405
  Bottom Side w10: R4E.1@15156.63,2421.54 15348.17,2421.54 R6E.2@15349.7,2420 15336,2433.7 15336,2549.02 15310.54,2574.48 15310.18,2574.48 15300.49,2584.17 U3E.2@15273.92,2584.17
NetC47E_2: C47E.2 R2E.1 R4E.2 U3E.1 | length 259.4
  Bottom Side w10: C47E.2@15226.63,2488.46 R4E.2@15156.63,2488.46 R2E.1@15156.63,2560 15158.06,2558.58 U3E.1@15273.92,2558.58
NetC47F_1: C47F.1 R4F.1 R6F.2 U3F.2 | length 405
  Bottom Side w10: R4F.1@14246.63,2421.54 14438.17,2421.54 R6F.2@14439.7,2420 14426,2433.7 14426,2549.02 14400.54,2574.48 14400.18,2574.48 14390.49,2584.17 U3F.2@14363.92,2584.17
NetC47F_2: C47F.2 R2F.1 R4F.2 U3F.1 | length 259.4
  Bottom Side w10: C47F.2@14316.63,2488.46 R4F.2@14246.63,2488.46 R2F.1@14246.63,2560 14248.06,2558.58 U3F.1@14363.92,2558.58